# Altium PCB LimeSDR-Micro_1v0.PcbDoc (part 3 of 8) (continued)
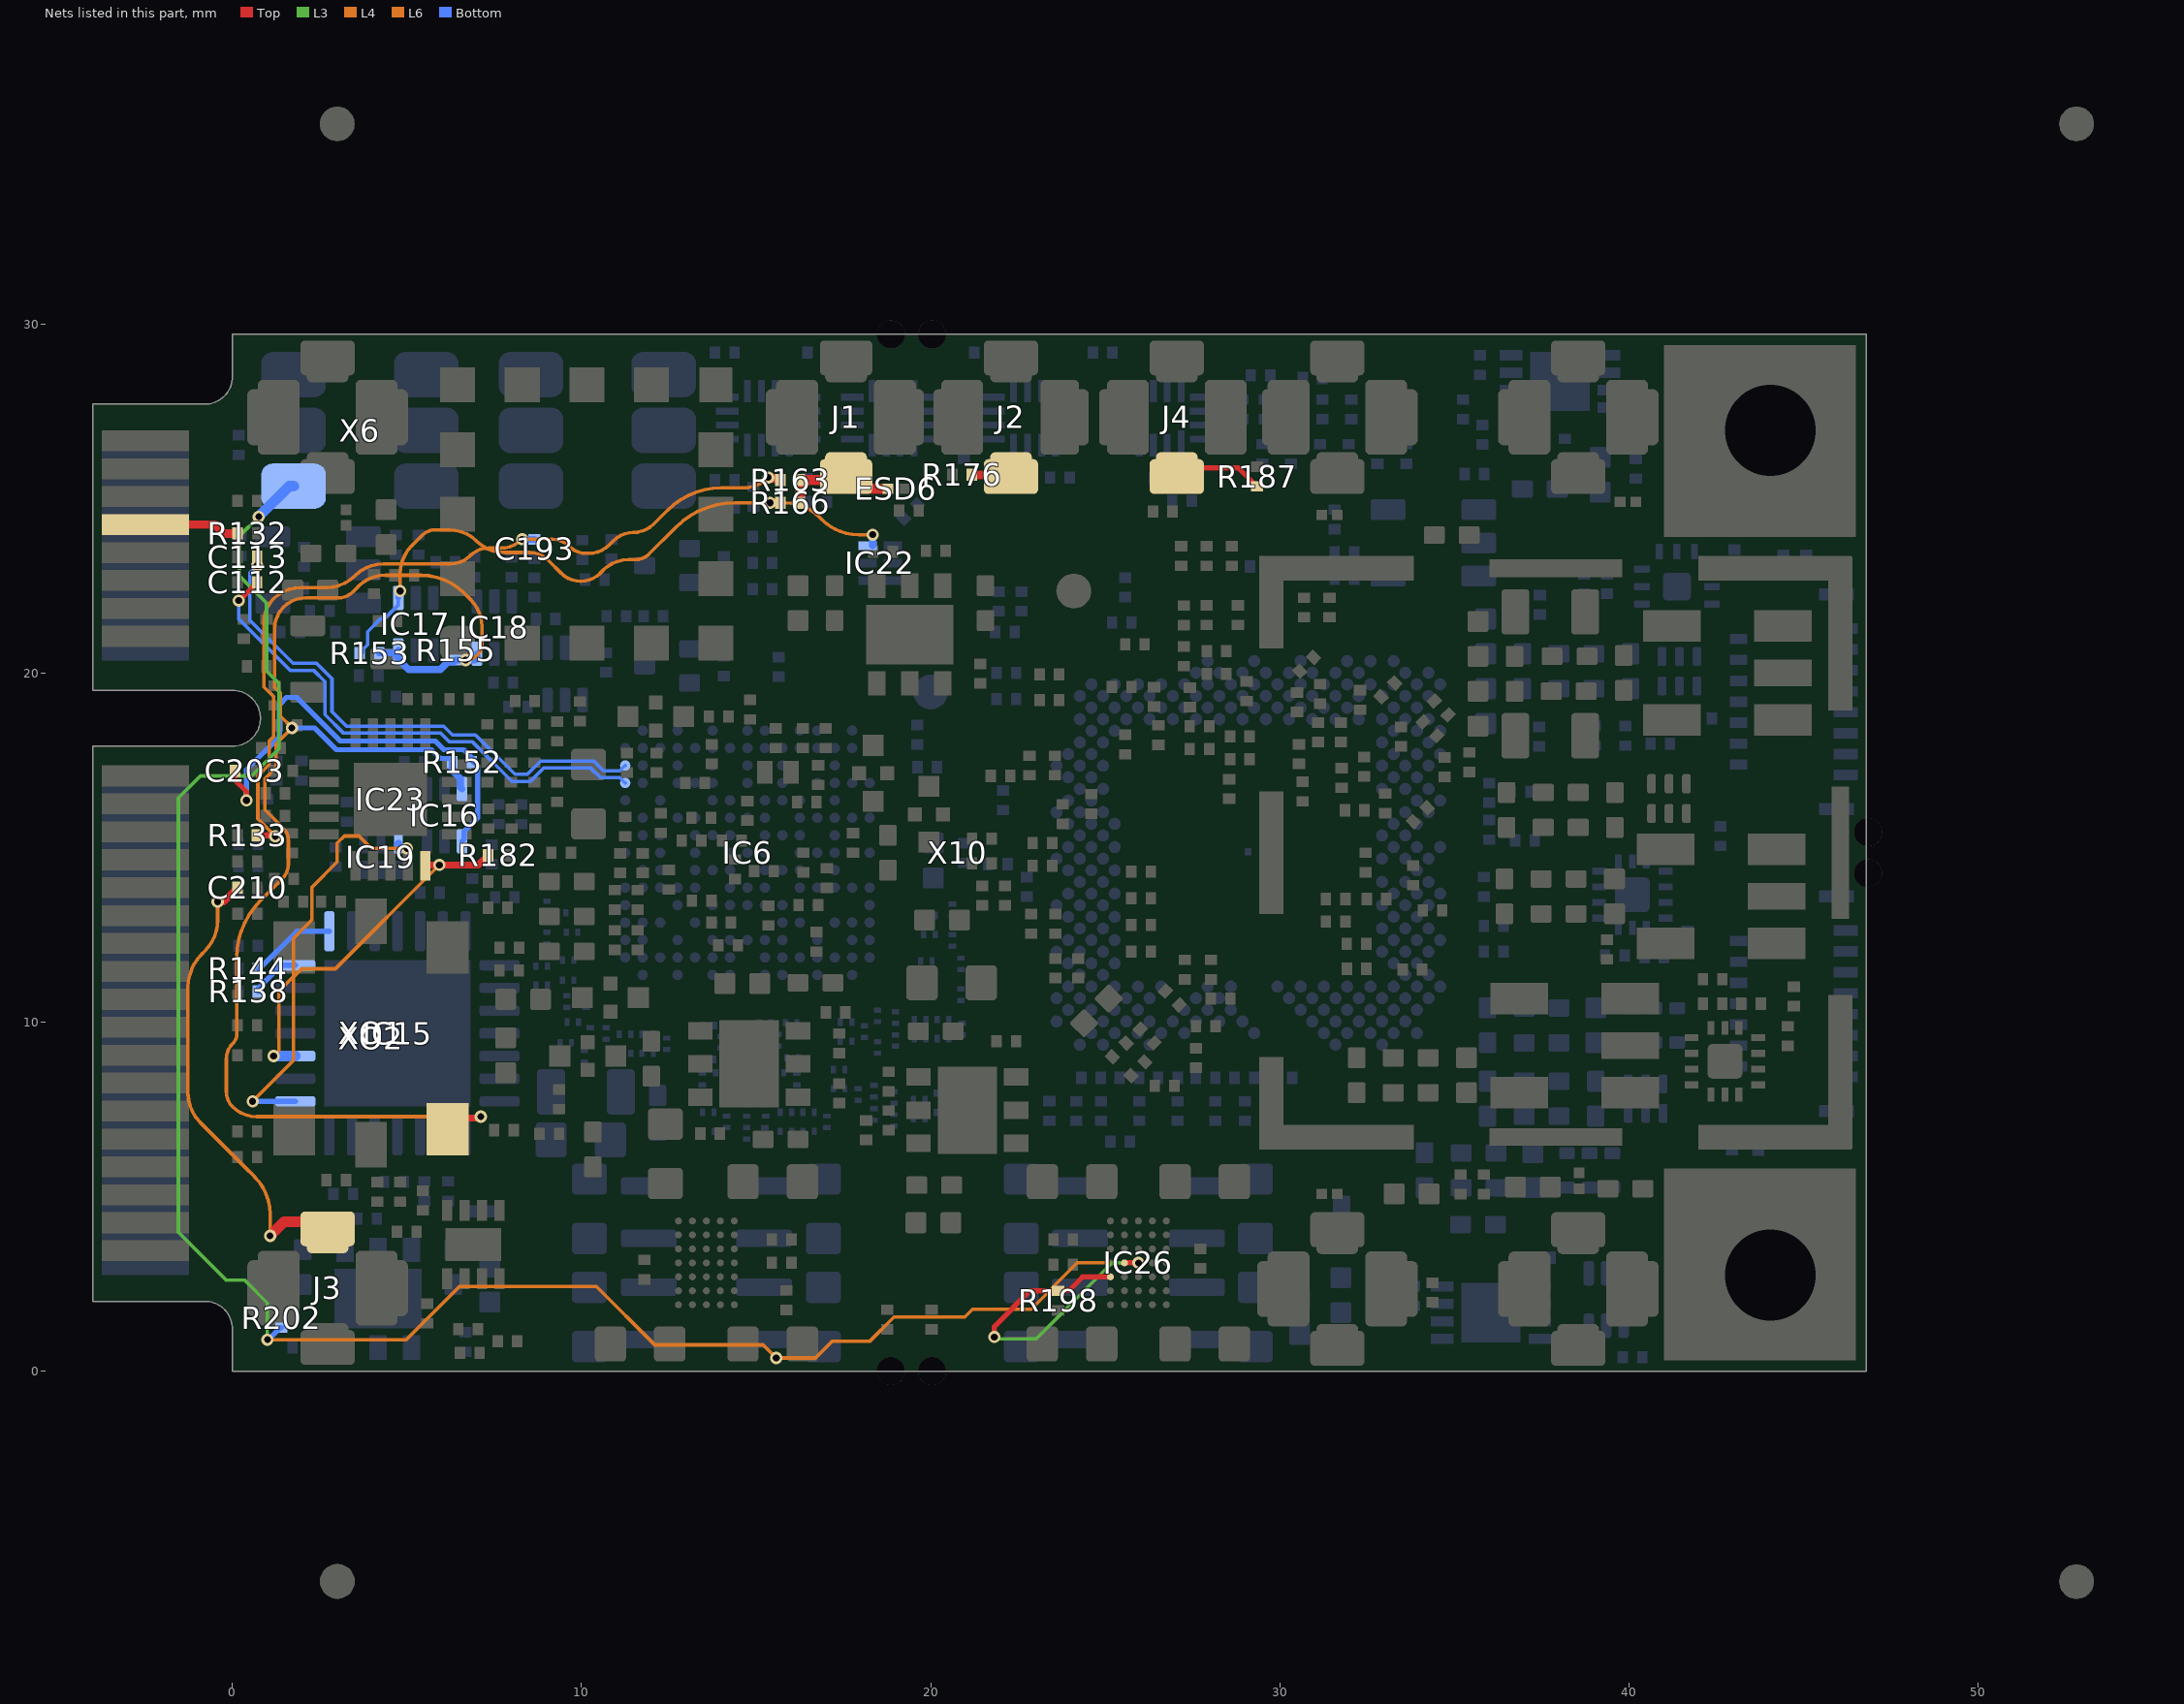
[diagram p9: the nets of this part, all layers, seen from the top]
## Part data (continued)
  R135 R157: Assembly Info=NF
R168 R201: library part Res_0402, Case/Package=0201, Case Code (Metric)=0603, Manufacturer=Yageo, Manufacturer Part Number 1=RC0201FR-0712K7L, Max Operating Temperature=125°C, Max Power Dissipation=50mW, Min Operating Temperature=-55°C, Package Quantity=1, Resistance=12.7kR, Resistor Type="Thick Film", Supplier Part Number 1=311-12.7KMCT-ND, Temperature Coefficient=200ppm/°C, Tolerance=1%, Case Code (Imperial)=0201, ComponentLink1Description=https://datasheet.ciiva.com/5924/1563626-5924912.pdf?src-supplier=Farnell, ComponentLink1URL=https://datasheet.ciiva.com/5924/1563626-5924912.pdf?src-supplier=Farnell, ComponentLink2Description=https://datasheet.ciiva.com/22661/1563626-22661319.pdf?src-supplier=Element14, ComponentLink2URL=https://datasheet.ciiva.com/22661/1563626-22661319.pdf?src-supplier=Element14, ComponentLink3Description=https://datasheet.ciiva.com/7660/1421516-7660807.pdf?src-supplier=Element14, ComponentLink3URL=https://datasheet.ciiva.com/7660/1421516-7660807.pdf?src-supplier=Element14, ComponentLink4Description=https://datasheet.ciiva.com/46391/1421516-46391339.pdf?src-supplier=Element14, ComponentLink4URL=https://datasheet.ciiva.com/46391/1421516-46391339.pdf?src-supplier=Element14, ComponentLink5Description=https://datasheet.ciiva.com/2467/pyu-r-int-thick-7-2467110.pdf?src-supplier=Digi-Key, ComponentLink5URL=https://datasheet.ciiva.com/2467/pyu-r-int-thick-7-2467110.pdf?src-supplier=Digi-Key, ComponentLink6Description=https://datasheet.ciiva.com/2467/pyu-r-int-thick-7-2467111.pdf?src-supplier=Digi-Key, ComponentLink6URL=https://datasheet.ciiva.com/2467/pyu-r-int-thick-7-2467111.pdf?src-supplier=Digi-Key, ComponentLink7Description=https://datasheet.ciiva.com/2467/pyu-r-int-thick-7-2467109.pdf?src-supplier=Digi-Key, ComponentLink7URL=https://datasheet.ciiva.com/2467/pyu-r-int-thick-7-2467109.pdf?src-supplier=Digi-Key, ComponentLink8Description=https://datasheet.ciiva.com/2493/pyu-r-int-thick-7-2493806.pdf?src-supplier=Digi-Key, ComponentLink8URL=https://datasheet.ciiva.com/2493/pyu-r-int-thick-7-2493806.pdf?src-supplier=Digi-Key, ComponentLink9Description=https://datasheet.ciiva.com/2493/pyu-r-int-thick-7-2493807.pdf?src-supplier=Digi-Key, ComponentLink9URL=https://datasheet.ciiva.com/2493/pyu-r-int-thick-7-2493807.pdf?src-supplier=Digi-Key, ComponentLink10Description=https://datasheet.ciiva.com/2493/pyu-r-int-thick-7-2493805.pdf?src-supplier=Digi-Key, ComponentLink10URL=https://datasheet.ciiva.com/2493/pyu-r-int-thick-7-2493805.pdf?src-supplier=Digi-Key, Features="Moisture Resistant", Height=0.01inch, Length=0.024inch, Number of Terminations=2, Packaging="Tape and Reel", Part Description="12.7 kOhms ±1% 0.05W, 1/20W Chip Resistor 0201 (0603 Metric) Moisture Resistant Thick Film", Pricing 1="1=0,10000, 10=0,03700, 100=0,01500, 1000=0,00672, 2500=0,00583, 5000=0,00482 (USD)", RoHS=Yes, RoHS Compliant=Yes, Series=RC, Stock 1=49027, Supplier 1=Digi-Key, Width=0.012inch
R178: library part Res_0402, Manufacturer=Yageo, Manufacturer Part Number 1=RC0201FR-07470RL, Supplier Part Number 1=YAG2689CT-ND, Voltage Rating (DC)=25V, ComponentLink1Description=https://datasheet.ciiva.com/8944/crcw0201e3-8944937.pdf?src-supplier=Avnet, ComponentLink1URL=https://datasheet.ciiva.com/8944/crcw0201e3-8944937.pdf?src-supplier=Avnet, ComponentLink2Description=https://datasheet.ciiva.com/2473/crcw0201e3-2473436.pdf?src-supplier=Digi-Key, ComponentLink2URL=https://datasheet.ciiva.com/2473/crcw0201e3-2473436.pdf?src-supplier=Digi-Key, ComponentLink3Description=https://datasheet.ciiva.com/2473/crcw0201e3-2473437.pdf?src-supplier=Digi-Key, ComponentLink3URL=https://datasheet.ciiva.com/2473/crcw0201e3-2473437.pdf?src-supplier=Digi-Key, ComponentLink4Description=https://datasheet.ciiva.com/2473/crcw0201e3-2473438.pdf?src-supplier=Digi-Key, ComponentLink4URL=https://datasheet.ciiva.com/2473/crcw0201e3-2473438.pdf?src-supplier=Digi-Key, ComponentLink5Description=https://datasheet.ciiva.com/16394/dcrcwe3-16394575.pdf?src-supplier=Future+Electronics, ComponentLink5URL=https://datasheet.ciiva.com/16394/dcrcwe3-16394575.pdf?src-supplier=Future+Electronics, ComponentLink6Description=https://datasheet.ciiva.com/7672/1563626-7672231.pdf?src-supplier=Element14, ComponentLink6URL=https://datasheet.ciiva.com/7672/1563626-7672231.pdf?src-supplier=Element14, ComponentLink7Description=https://datasheet.ciiva.com/22698/1563626-22698527.pdf?src-supplier=Element14, ComponentLink7URL=https://datasheet.ciiva.com/22698/1563626-22698527.pdf?src-supplier=Element14, Part Description="470 Ohms ±1% 0.05W, 1/20W Chip Resistor 0201 (0603 Metric) Moisture Resistant Thick Film", Pricing 1="1=0,1, 10=0,027, 50=0,0172, 100=0,0143, 500=0,00988, 1000=0,00854, 5000=0,00629 (USD)", RoHS=Yes, Stock 1=296760, Supplier 1=Digi-Key
R189: library part Res_0402, Case/Package=0201, Case Code (Metric)=0603, Manufacturer=Yageo, Manufacturer Part Number 1=RC0201FR-075K6L, Max Operating Temperature=125°C, Max Power Dissipation=50mW, Min Operating Temperature=-55°C, Package Quantity=10000, Resistance=5.6kR, Resistance Tolerance=1%, Resistor Type="Thick Film", Supplier Part Number 1=YAG2346CT-ND, Temperature Coefficient=200ppm/°C, Voltage Rating=25V, Case Code (Imperial)=0201, ComponentLink1Description=https://datasheet.ciiva.com/5924/1563626-5924912.pdf?src-supplier=Farnell, ComponentLink1URL=https://datasheet.ciiva.com/5924/1563626-5924912.pdf?src-supplier=Farnell, ComponentLink2Description=https://datasheet.ciiva.com/22661/1563626-22661319.pdf?src-supplier=Element14, ComponentLink2URL=https://datasheet.ciiva.com/22661/1563626-22661319.pdf?src-supplier=Element14, ComponentLink3Description=https://datasheet.ciiva.com/7660/1421516-7660807.pdf?src-supplier=Element14, ComponentLink3URL=https://datasheet.ciiva.com/7660/1421516-7660807.pdf?src-supplier=Element14, ComponentLink4Description=https://datasheet.ciiva.com/46391/1421516-46391339.pdf?src-supplier=Element14, ComponentLink4URL=https://datasheet.ciiva.com/46391/1421516-46391339.pdf?src-supplier=Element14, ComponentLink5Description=https://datasheet.ciiva.com/2467/pyu-r-int-thick-7-2467110.pdf?src-supplier=Digi-Key, ComponentLink5URL=https://datasheet.ciiva.com/2467/pyu-r-int-thick-7-2467110.pdf?src-supplier=Digi-Key, ComponentLink6Description=https://datasheet.ciiva.com/2467/pyu-r-int-thick-7-2467111.pdf?src-supplier=Digi-Key, ComponentLink6URL=https://datasheet.ciiva.com/2467/pyu-r-int-thick-7-2467111.pdf?src-supplier=Digi-Key, ComponentLink7Description=https://datasheet.ciiva.com/2467/pyu-r-int-thick-7-2467109.pdf?src-supplier=Digi-Key, ComponentLink7URL=https://datasheet.ciiva.com/2467/pyu-r-int-thick-7-2467109.pdf?src-supplier=Digi-Key, ComponentLink8Description=https://datasheet.ciiva.com/22661/1563626-22661325.pdf?src-supplier=Element14, ComponentLink8URL=https://datasheet.ciiva.com/22661/1563626-22661325.pdf?src-supplier=Element14, Features="Moisture Resistant", Height=0.01inch, Length=0.024inch, Number of Terminations=2, Packaging="Tape and Reel", Part Description="5.6 kOhms ±1% 0.05W, 1/20W Chip Resistor 0201 (0603 Metric) Moisture Resistant Thick Film", Power Rating=50mW, Pricing 1="1=0,10000, 10=0,03700, 100=0,01500, 1000=0,00672, 2500=0,00583, 5000=0,00482 (USD)", Reach SVHC Compliant=Yes, RoHS=Yes, RoHS Compliant=Yes, Series=RC, Stock 1=808399, Supplier 1=Digi-Key, Termination=SMD/SMT, Tolerance=1%, Width=0.3mm
R195: library part Res_0402, Case/Package=0201, Case Code (Metric)=0603, Manufacturer="Stackpole Electronics", Manufacturer Part Number 1=RMCF0201FT7K50, Max Operating Temperature=125°C, Max Power Dissipation=50mW, Min Operating Temperature=-55°C, Package Quantity=10000, Resistance=7.5kR, Resistor Type="Thick Film", Supplier Part Number 1=RMCF0201FT7K50CT-ND, Temperature Coefficient=200ppm/°C, Tolerance=1%, Case Code (Imperial)=0201, ComponentLink1Description=https://datasheet.ciiva.com/5924/1563626-5924912.pdf?src-supplier=Farnell, ComponentLink1URL=https://datasheet.ciiva.com/5924/1563626-5924912.pdf?src-supplier=Farnell, ComponentLink2Description=https://datasheet.ciiva.com/22661/1563626-22661319.pdf?src-supplier=Element14, ComponentLink2URL=https://datasheet.ciiva.com/22661/1563626-22661319.pdf?src-supplier=Element14, ComponentLink3Description=https://datasheet.ciiva.com/7660/1421516-7660807.pdf?src-supplier=Element14, ComponentLink3URL=https://datasheet.ciiva.com/7660/1421516-7660807.pdf?src-supplier=Element14, ComponentLink4Description=https://datasheet.ciiva.com/46391/1421516-46391339.pdf?src-supplier=Element14, ComponentLink4URL=https://datasheet.ciiva.com/46391/1421516-46391339.pdf?src-supplier=Element14, ComponentLink5Description=https://datasheet.ciiva.com/2467/pyu-r-int-thick-7-2467110.pdf?src-supplier=Digi-Key, ComponentLink5URL=https://datasheet.ciiva.com/2467/pyu-r-int-thick-7-2467110.pdf?src-supplier=Digi-Key, ComponentLink6Description=https://datasheet.ciiva.com/2467/pyu-r-int-thick-7-2467111.pdf?src-supplier=Digi-Key, ComponentLink6URL=https://datasheet.ciiva.com/2467/pyu-r-int-thick-7-2467111.pdf?src-supplier=Digi-Key, ComponentLink7Description=https://datasheet.ciiva.com/2467/pyu-r-int-thick-7-2467109.pdf?src-supplier=Digi-Key, ComponentLink7URL=https://datasheet.ciiva.com/2467/pyu-r-int-thick-7-2467109.pdf?src-supplier=Digi-Key, ComponentLink8Description=https://www.seielect.com/catalog/SEI-Packaging.pdf?src-supplier=Digi-Key, ComponentLink8URL=https://www.seielect.com/catalog/SEI-Packaging.pdf?src-supplier=Digi-Key, ComponentLink9Description=https://www.seielect.com/Catalog/SEI-RMCF_RMCP.pdf?src-supplier=Digi-Key, ComponentLink9URL=https://www.seielect.com/Catalog/SEI-RMCF_RMCP.pdf?src-supplier=Digi-Key, ComponentLink10Description=https://www.seielect.com/catalog/SEI-RMCF_RMCP.pdf?src-supplier=Avnet, ComponentLink10URL=https://www.seielect.com/catalog/SEI-RMCF_RMCP.pdf?src-supplier=Avnet, ComponentLink11Description=http://www.seielect.com/Catalog/SEI-RMCF_RMCP.pdf?src-supplier=Digi-Key, ComponentLink11URL=http://www.seielect.com/Catalog/SEI-RMCF_RMCP.pdf?src-supplier=Digi-Key, Contact Plating=Tin,Matte, Height=0.009inch, Length=0.024inch, Mount="Surface Mount", Number of Terminations=2, Packaging="Tape and Reel", Part Description="7.5 kOhms ±1% 0.05W, 1/20W Chip Resistor 0201 (0603 Metric) Thick Film", Pricing 1="1=0,10000, 10=0,02400, 100=0,00970, 1000=0,00437, 2500=0,00379, 5000=0,00313 (USD)", Radiation Hardening=No, RoHS=Yes, RoHS Compliant=Yes, Series=RMCF, Stock 1=145930, Supplier 1=Digi-Key, Width=0.012inch
R206: library part Res_0402, Case/Package=0201, Case Code (Metric)=0603, Manufacturer=Yageo, Manufacturer Part Number 1=RC0201FR-0731K6L, Max Operating Temperature=125°C, Max Power Dissipation=50mW, Min Operating Temperature=-55°C, Resistance=31.6kR, Resistor Type="Thick Film", Supplier Part Number 1=YAG2597CT-ND, Temperature Coefficient=200ppm/°C, Tolerance=1%, Assembly Info=NF, Case Code (Imperial)=0201, ComponentLink1Description=https://datasheet.ciiva.com/5924/1563626-5924912.pdf?src-supplier=Farnell, ComponentLink1URL=https://datasheet.ciiva.com/5924/1563626-5924912.pdf?src-supplier=Farnell, ComponentLink2Description=https://datasheet.ciiva.com/22661/1563626-22661319.pdf?src-supplier=Element14, ComponentLink2URL=https://datasheet.ciiva.com/22661/1563626-22661319.pdf?src-supplier=Element14, ComponentLink3Description=https://datasheet.ciiva.com/7660/1421516-7660807.pdf?src-supplier=Element14, ComponentLink3URL=https://datasheet.ciiva.com/7660/1421516-7660807.pdf?src-supplier=Element14, ComponentLink4Description=https://datasheet.ciiva.com/46391/1421516-46391339.pdf?src-supplier=Element14, ComponentLink4URL=https://datasheet.ciiva.com/46391/1421516-46391339.pdf?src-supplier=Element14, ComponentLink5Description=https://datasheet.ciiva.com/2467/pyu-r-int-thick-7-2467110.pdf?src-supplier=Digi-Key, ComponentLink5URL=https://datasheet.ciiva.com/2467/pyu-r-int-thick-7-2467110.pdf?src-supplier=Digi-Key, ComponentLink6Description=https://datasheet.ciiva.com/2467/pyu-r-int-thick-7-2467111.pdf?src-supplier=Digi-Key, ComponentLink6URL=https://datasheet.ciiva.com/2467/pyu-r-int-thick-7-2467111.pdf?src-supplier=Digi-Key, ComponentLink7Description=https://datasheet.ciiva.com/2467/pyu-r-int-thick-7-2467109.pdf?src-supplier=Digi-Key, ComponentLink7URL=https://datasheet.ciiva.com/2467/pyu-r-int-thick-7-2467109.pdf?src-supplier=Digi-Key, ComponentLink8Description=http://www.yageo.com/documents/recent/PYu-RC_Group_51_RoHS_L_10.pdf?src-supplier=Digi-Key, ComponentLink8URL=http://www.yageo.com/documents/recent/PYu-RC_Group_51_RoHS_L_10.pdf?src-supplier=Digi-Key, ComponentLink9Description=https://www.yageo.com/upload/media/product/productsearch/datasheet/rchip/PYu-RC_Group_51_RoHS_L_11.pdf?src-supplier=Digi-Key, ComponentLink9URL=https://www.yageo.com/upload/media/product/productsearch/datasheet/rchip/PYu-RC_Group_51_RoHS_L_11.pdf?src-supplier=Digi-Key, ComponentLink10Description=http://www.yageo.com/documents/recent/PYu-RC_Group_51_RoHS_L_9.pdf?src-supplier=Digi-Key, ComponentLink10URL=http://www.yageo.com/documents/recent/PYu-RC_Group_51_RoHS_L_9.pdf?src-supplier=Digi-Key, Features="Moisture Resistant", Height=0.01inch, Length=0.024inch, Number of Terminations=2, Packaging="Tape and Reel", Part Description="31.6 kOhms ±1% 0.05W, 1/20W Chip Resistor 0201 (0603 Metric) Moisture Resistant Thick Film", Pricing 1="1=0,10000, 10=0,03700, 100=0,01500, 1000=0,00672, 2500=0,00583, 5000=0,00482 (USD)", RoHS=Yes, RoHS Compliant=Yes, Stock 1=255391, Supplier 1=Digi-Key, Width=0.012inch
T1 T5 T6: library part 3600BL14M050_balun, Case/Package=0603, Case Code (Metric)=1608, Frequency=3.6GHz, Manufacturer=Johanson, Manufacturer Part Number 1=3600BL14M050T, Max Frequency=3.9GHz, Max Operating Temperature=85°C, Min Frequency=3.3GHz, Min Operating Temperature=-40°C, Package Quantity=1, Resistor Type=Ceramic, Supplier Part Number 1=712-1048-1-ND, Case Code (Imperial)=0603, ComponentLink1Description=https://datasheet.ciiva.com/2788/3600bl14m050-2788852.pdf?src-supplier=Digi-Key, ComponentLink1URL=https://datasheet.ciiva.com/2788/3600bl14m050-2788852.pdf?src-supplier=Digi-Key, ComponentLink2Description=https://datasheet.ciiva.com/22694/1318325-22694755.pdf?src-supplier=Element14, ComponentLink2URL=https://datasheet.ciiva.com/22694/1318325-22694755.pdf?src-supplier=Element14, ComponentLink3Description=https://datasheet.ciiva.com/24072/balun-3600bl14m050-242434-24072532.pdf?src-supplier=Mouser, ComponentLink3URL=https://datasheet.ciiva.com/24072/balun-3600bl14m050-242434-24072532.pdf?src-supplier=Mouser, Depth=0.8mm, Impedance=50R, Insertion Loss=1.2dB, Length=1.6mm, Mount="Surface Mount", Number of Pins=6, Packaging="Tape and Reel", Part Description="Signal Conditioning 3.6GHz 1:1 BALUN", Pricing 1="1=1,19000, 10=1,16900, 25=0,78280, 50=0,69680, 100=0,63840, 250=0,57280, 500=0,56086, 1000=0,40573 (USD)", Radiation Hardening=No, Return Loss=9.5dB, RoHS=Yes, Series=3600, Stock 1=41138, Supplier 1=Digi-Key, Termination=SMD/SMT, Turns Ratio=1:1
T2 T7 T8: library part TC1-1-13M+, Manufacturer=Minicircuits, Manufacturer Part Number 1=TC1-1-13M-45+, Part Description="RF balun; 1:1 ratio; 3 dB bandwidth: 0.3 MHz to 3.5 GHz; 3.8mm x 3.8mm", Supplier 1=Minicircuits, Supplier Part Number 1=TC1-1-13M-45+
T3 T4: library part B0322J5050AHF_balun, Case/Package=0805, Case Code (Metric)=2012, Manufacturer=Anaren, Max Operating Temperature=85°C, Min Operating Temperature=-55°C, Package Quantity=1, Supplier Part Number 1=620-B0322J5050AHF, Case Code (Imperial)=0805, ComponentLink1Description=https://datasheet.ciiva.com/2788/b0322j5050ahf-datasheet-reva-2788996.pdf?src-supplier=Digi-Key, ComponentLink1URL=https://datasheet.ciiva.com/2788/b0322j5050ahf-datasheet-reva-2788996.pdf?src-supplier=Digi-Key, ComponentLink2Description=https://datasheet.ciiva.com/4548/b0322j5050ahf-datasheet-reva-18090-4548378.pdf?src-supplier=Mouser, ComponentLink2URL=https://datasheet.ciiva.com/4548/b0322j5050ahf-datasheet-reva-18090-4548378.pdf?src-supplier=Mouser, ComponentLink3Description=https://datasheet.ciiva.com/2788/b0322j5050ahf-2788997.pdf?src-supplier=Digi-Key, ComponentLink3URL=https://datasheet.ciiva.com/2788/b0322j5050ahf-2788997.pdf?src-supplier=Digi-Key, ComponentLink4Description=https://datasheet.ciiva.com/2788/b0322j5050ahf-2788998.pdf?src-supplier=Digi-Key, ComponentLink4URL=https://datasheet.ciiva.com/2788/b0322j5050ahf-2788998.pdf?src-supplier=Digi-Key, ComponentLink5Description=https://datasheet.ciiva.com/26819/getdatasheetpartid-573228-26819653.pdf?src-supplier=Verical, ComponentLink5URL=https://datasheet.ciiva.com/26819/getdatasheetpartid-573228-26819653.pdf?src-supplier=Verical, Depth=1.29mm, Impedance=50R, Insertion Loss=1.6dB, Length=2.04mm, Manufacturer Part Number 1=B0322J5050AHF, Mount="Surface Mount", Number of Pins=6, Packaging="Tape and Reel", Part Description="Signal Conditioning 300-2200MHz 50 Ohm IL=1.6dB", Pricing 1="1=1,65000, 10=1,02000, 50=1,02000, 100=0,88300, 1000=0,56100, 10000=0,52800 (USD)", RoHS=Yes, RoHS Compliant=Yes, Series=Xinger®, Stock 1=19367, Supplier 1=Mouser, Termination=SMD/SMT, Turns Ratio=1:1
TP1: "Test Point PCB mount Miniature White"
VT1 VT2: Current - Continuous Drain (Id) @ 25°C="630mA (Ta)", Drive Voltage (Max Rds On,  Min Rds On)="1.8V, 4.5V", Manufacturer="Diodes Incorporated", Manufacturer Part Number 1=DMG1012TQ-7, Operating Temperature="-55°C ~ 150°C (TJ)", Package / Case=SOT-523, Power Dissipation (Max)="280mW (Ta)", Supplier Part Number 1=DMG1012TQ-7DICT-ND, Category="Discrete Semiconductor Products", ComponentLink1Description=https://www.diodes.com/assets/Datasheets/ds31783.pdf, ComponentLink1URL=https://www.diodes.com/assets/Datasheets/ds31783.pdf, FET Feature=-, FET Type=N-Channel, Mounting Type="Surface Mount", Packaging="Cut Tape (CT)", Part Description="N-Channel 20V 630mA (Ta) 280mW (Ta) Surface Mount SOT-523", Part Status=Active, Pricing 1="1=0.47, 10=0.424, 100=0.2375, 500=0.12722, 1000=0.08651 (USD)", Rds On (Max) @ Id, Vgs="400 mOhm @ 600mA, 4.5V", RoHS="RoHS Compliant", Stock 1=3569, Supplier 1=Digi-Key, Supplier Device Package=SOT-523, Technology="MOSFET (Metal Oxide)", Vgs (Max)=±6V, Vgs(th) (Max) @ Id="1V @ 250µA"
X6 X9: library part Molex_0788641001_spring_contacts, "Header, 6-pin", Manufacturer=Molex, Manufacturer Part Number 1=78864-1001, Supplier Part Number 1=WM11204CT-ND, Voltage Rating=10V, Assembly Info=NF, ComponentLink1Description=http://www.farnell.com/datasheets/2216617.pdf?src-supplier=Farnell, ComponentLink1URL=http://www.farnell.com/datasheets/2216617.pdf?src-supplier=Farnell, ComponentLink2Description=http://www.farnell.com/datasheets/2216617.pdf?src-supplier=Newark, ComponentLink2URL=http://www.farnell.com/datasheets/2216617.pdf?src-supplier=Newark, ComponentLink3Description=http://www.farnell.com/datasheets/1862322.pdf?src-supplier=Element14, ComponentLink3URL=http://www.farnell.com/datasheets/1862322.pdf?src-supplier=Element14, Contact Material="Copper Alloy", Glow Wire Compliant=Non-compliant, Halogen Free="Low Halogen", Number of Circuits=6, Number of Contacts=6, Orientation=Vertical, Part Description="6 Position Spring Battery Contact Connector Surface Mount", Pricing 1="1=0,45000, 10=0,36500, 100=0,26730, 1000=0,21263 (USD)", RoHS=Yes, Stock 1=133097, Supplier 1=Digi-Key, Voltage Rating (DC)=10V
X8 X13: library part 5025981593_FPC_connector, Manufacturer=Molex, Supplier Part Number 1=900-5025981593CT-ND, Manufacturer Part Number 1=5025981593, Part Description="15 Position FPC Connector Contacts, Top and Bottom 0.012\" (0.30mm) Surface Mount, Right Angle", Pricing 1="1=1,40000, 10=1,15900, 100=0,96600, 1000=0,77280 (USD)", RoHS=Yes, Stock 1=19758, Supplier 1=Digi-Key
X10: library part PCIe_MiniCard_fingers, "PCIe MiniCard full or half size"
XO1: library part RPT7050A, Manufacturer=Rakon, Manufacturer Part Number 1=E6245LF, Part Description="TCXO 30.72MHz, E6245LF", Supplier 1=Rakon, Supplier Part Number 1=E6245LF
XO2: library part TXCO, Manufacturer=Rakon, Manufacturer Part Number 1=E5280LF, Assembly Info=NF, Part Description="TCXO 30.72MHz, E5280LF", Supplier 1=Rakon, Supplier Part Number 1=E5280LF

## Free pads (board coordinates)
  round 0.8 hole 0.8 unplated: 0(18.863,0) 0(18.863,29.7) 0(20.038,0) 0(20.038,29.7) 0(46.85,14.262) 0(46.85,15.438)

## Via types
v1: diameter 0.35, hole 0.2, Top to Bottom, tented both sides, 670 vias
v2: diameter 0.35, hole 0.2, L5 to Bottom, tented both sides, 104 vias
v3: diameter 0.4, hole 0.2, Top to Bottom, tented both sides, 30 vias
v4: diameter 0.5, hole 0.2, Top to Bottom, tented both sides, 8 vias

## Nets (pads, with @x,y where several pads share a name; then routed paths per layer and width w, separated by ;. In a path a pad name is that pad's centre, name@x,y a point inside that pad or via, vN(x,y) a via of type N, cw(c..) or ccw(c..) an arc to the next point about the centre after c; other vN are vias at no path point)
ADF_MUXOUT: IC15.24 IC23.15 R182.1 | length 10.9
  Top w0.2: IC23.15@5.525,14.475 IC23.15@5.525,14.5 ; IC23.15@5.575,14.775 5.525,14.725 IC23.15@5.525,14.5 ; R182.1@7.32,14.775 7.045,14.5 v1(5.925,14.5) IC23.15@5.525,14.5
  L4 w0.1: v1(1.175,9.025) 1.325,9.175 1.325,10.875 1.975,11.525 2.95,11.525 v1(5.925,14.5)
  Bottom w0.3: v1(1.175,9.025) IC15.24@1.8,9.025
ADF_REF_IN: C210.2 J3.1 | length 13.3
  Top w0.2: v1(-0.425,13.45) -0.255,13.45 0.07,13.775 0.095,13.775 0.145,13.825 C210.2@0.145,13.85
  Top w0.3: v1(1.075,3.875) 1.475,4.275 2.525,4.275 J3.1@2.725,4.075
  L6 w0.1: -0.887,11.938 ccw(c0.053,11) -1.275,11 -1.275,7.97 ccw(c-0.08,7.97) -0.925,7.125 0.337,5.863 0.633,5.567 cw(c-0.434,4.5) 1.075,4.5 v1(1.075,3.875) ; -0.886,11.939 -0.796,12.029 ccw(c-1.692,12.925) -0.425,12.925 v1(-0.425,13.45)
ADF_RF_IN: C203.1 IC16.4 R152.2 | length 13.2
  Top w0.15: C203.1@0.07,17.2 0.07,16.93 0.4,16.6 v1(0.4,16.35)
  Bottom w0.15: v1(0.4,16.35) 0.4,17.229 1.345,18.174 1.345,19.095 1.55,19.3 1.839,19.3 3.089,18.05 5.806,18.05 6.056,17.8 6.625,17.8 6.94,17.485 R152.2@6.94,17.415 ; IC16.4@6.575,15.175 6.632,15.232 6.632,15.457 7.025,15.85 7.025,17.33 R152.2@6.855,17.5
BOM_VER0: IC15.28 R138.1 | length 1.4
  Bottom w0.15: R138.1@0.73,10.881 0.73,10.958 1.3,11.528 1.3,11.55 1.375,11.625 IC15.28@1.8,11.625
BOM_VER1: IC15.1 R144.1 | length 2.5
  Bottom w0.15: R144.1@0.752,11.508 1.844,12.6 IC15.1@2.775,12.6
C1_N: C113.2 IC6.N1 | length 15.4
  Top w0.3: v1(0.705,23.075) C113.2@0.705,23.325
  Bottom w0.1: v1(0.705,23.075) 0.5,22.87 0.5,21.508 1.733,20.275 2.408,20.275 2.85,19.833 2.85,18.89 3.265,18.475 6.05,18.475 6.3,18.225 6.958,18.225 8.088,17.095 8.445,17.095 8.825,17.475 10.35,17.475 10.625,17.2 11.092,17.2 11.242,17.35 IC6.N1@11.251,17.35
C1_P: C112.2 IC6.M1 | length 15.2
  Top w0.15: v1(0.175,22.075) 0.192,22.075 0.617,22.5 0.63,22.5 0.705,22.575 C112.2@0.705,22.6
  Bottom w0.1: v1(0.175,22.075) 0.175,21.55 1.65,20.075 2.325,20.075 2.65,19.75 2.65,18.808 3.183,18.275 5.967,18.275 6.217,18.025 6.875,18.025 8.005,16.895 8.527,16.895 8.907,17.275 10.267,17.275 10.542,17 11.092,17 11.242,16.85 IC6.M1@11.251,16.85
CLK: ESD6.1 J1.1 R163.1 R166.1 | length 3.4
  Top w0.3: R166.1@16.255,24.875 16.255,25.5 R163.1@16.255,25.525 17.375,25.525 J1.1@17.575,25.725 ; J1.1@17.575,25.625 J1.1@17.9,25.3 ; J1.1@17.9,25.275 ESD6.1@18.775,25.275
CLK_IN: C193.1 R133.1 R163.2 | length 24
  Top w0.18: R133.1@0.702,15.347 v1@1.226,15.347
  Top w0.25: v1@15.35,25.575 R163.2@15.695,25.575
  L4 w0.1: v1(8.295,23.83) 9.159,23.83 cw(c9.159,23.139) 9.647,23.628 ccw(c10.136,24.116) 10.136,23.425 10.2,23.425 ccw(c10.2,24.27) 10.797,23.672 10.911,23.786 cw(c11.488,23.21) 11.488,24.025 ccw(c11.488,24.84) 12.064,24.264 12.463,24.663 cw(c14.002,23.123) 14.002,25.3 14.626,25.3 ccw(c14.626,26.324) v1(15.35,25.6)
  L6 w0.1: v1(1.226,15.322) 0.725,15.822 0.725,17.05 1.05,17.375 1.05,18.05 1.175,18.175 1.175,19.325 0.9,19.6 0.9,21.461 cw(c1.839,21.461) 1.175,22.125 cw(c1.96,21.34) 1.96,22.45 2.698,22.45 ccw(c2.698,23.602) 3.512,22.787 cw(c4.327,21.973) 4.327,23.125 6.252,23.125 ccw(c6.252,23.893) 6.795,23.35 ; 6.795,23.35 cw(c7.339,22.807) 7.339,23.575 7.679,23.575 ccw(c7.679,24.446) v1(8.295,23.83)
  Bottom w0.2: v1(8.295,23.83) C193.1@8.65,23.83
CLK_OUT: IC17.4 IC22.3 R153.2 R166.2 | length 19.3
  Top w0.25: v1(15.4,24.875) R166.2@15.695,24.875
  L4 w0.1: v1(4.8,22.35) 4.8,22.83 cw(c5.958,22.83) 5.139,23.648 ; 5.139,23.648 5.443,23.952 cw(c5.8,23.595) 5.8,24.1 6.215,24.1 cw(c6.215,22.99) 7,23.775 ccw(c7.785,24.56) 7.785,23.45 8.507,23.45 cw(c8.507,22.682) 9.05,23.225 9.42,22.855 ccw(c9.975,23.41) 9.975,22.625 ccw(c9.975,23.41) 10.53,22.855 10.624,22.949 cw(c11.35,22.224) 11.35,23.25 11.563,23.25 ccw(c11.563,23.762) 11.925,23.4 12.693,24.168 cw(c14.4,22.461) 12.694,24.169 cw(c14.4,22.461) 14.4,24.875 v1(15.4,24.875)
  L6 w0.1: v1(15.4,24.875) 15.826,24.875 cw(c15.826,23.489) 16.806,24.469 16.875,24.4 ccw(c17.931,25.456) 17.414,24.055 ccw(c17.931,25.456) 17.931,23.962 v2(18.338,23.962)
  Bottom w0.1: R153.2@3.645,20.475 3.645,20.5 3.745,20.6 R153.2@3.746,20.6 ; R153.2@3.645,20.575 3.875,20.805 3.875,21.185 4.24,21.55 4.35,21.55 4.75,21.95 IC17.4@4.75,22.15
  Bottom w0.15: IC17.4@4.75,22.15 IC17.4@4.75,22.35
  Bottom w0.2: IC22.3@18.338,23.65 v2(18.338,23.962)
CLK_REQUEST#: R132.1 X10.7 | length 2.7
  Top w0.25: X10.7@-2.5,24.25 -0.505,24.249 -0.255,23.999 R132.1@0.145,23.999
CLK_XO: IC16.3 IC17.3 IC18.3 R152.1 R153.1 R155.1 XO1.4 XO2.3 | length 41.3
  Top w0.2: XO1.4@6.164,6.935 6.479,7.25 v1@7.025,7.25
  L6 w0.1: -0.001,7.576 cw(c0.422,7.997) -0.175,7.997 -0.175,8.953 cw(c0.422,8.953) -0.001,9.374 ccw(c-0.302,9.677) 0.125,9.677 0.125,11.85 cw(c2.419,11.85) 0.796,13.471 ; 0.001,7.574 ccw(c0.691,8.266) 0.691,7.289 v1(7.114,7.289) ; 0.797,13.472 1.423,14.098 ccw(c0.996,14.525) 1.6,14.525 1.6,15.2 ccw(c1.1,15.2) 1.454,15.554 0.925,16.082 0.925,16.967 1.25,17.292 1.25,17.967 1.667,18.385 1.7,18.385 v2(1.7,18.425) 1.7,18.44 1.375,18.765 1.375,19.425 1.2,19.6 1.2,21.254 cw(c2.096,21.254) 1.462,21.887 ; 1.463,21.888 cw(c2.096,21.254) 2.096,22.15 3.025,22.15 ccw(c3.025,22.754) 3.451,22.326 3.6,22.475 cw(c4.385,21.69) 4.385,22.8 5.4,22.8 cw(c5.4,21.05) 6.637,22.287 6.821,22.104 cw(c6.027,21.31) 7.15,21.31 7.15,20.845 cw(c6.675,20.845) v2(6.675,20.37)
  Bottom w0.15: v2(1.7,18.425) 2.35,18.425 2.975,17.8 5.702,17.8 5.952,17.55 6.195,17.55 6.22,17.55 6.295,17.475 R152.1@6.295,17.45
  Bottom w0.2: R153.1@4.205,20.575 IC17.3@4.7,20.575 ; IC17.3@4.7,20.475 IC17.3@4.75,20.525 ; IC17.3@4.75,20.65 IC17.3@4.75,20.525 ; R152.1@6.295,17.45 6.295,17.209 6.525,16.979 6.525,16.725 IC16.3@6.575,16.675 ; IC18.3@7,20.55 7,20.42 6.95,20.37 v2(6.675,20.37) R155.1@6.4,20.37 6.35,20.32 6.174,20.32 5.954,20.1 5.046,20.1 4.75,20.396 IC17.3@4.75,20.525
EN_REG: IC26.C5 IC26.D3 IC26.D4 R198.2 R202.2 X6.3 | length 66.8
  Top w0.1: IC26.D4@25.515,3.1 IC26.D4@25.55,3.1
  Top w0.15: v1(21.825,0.975) 21.825,1.275 22.85,2.3 R198.2@23.65,2.3 23.662,2.312 23.962,2.312 24.35,2.7 IC26.C5@25.15,2.7 ; IC26.D4@25.55,3.1 v1(25.95,3.1)
  L3 w0.1: v1(0.75,24.475) 0.2,23.925 0.2,22.775 0.975,22 0.975,20.059 1.325,19.709 1.325,17.825 0.55,17.05 -0.92,17.05 -1.55,16.42 -1.55,3.975 -0.175,2.6 0.35,2.6 1,1.95 v1(1,0.9) ; v1(21.825,0.975) 21.873,0.927 22.006,0.927 22.009,0.925 23.025,0.925 25.2,3.1 v1(25.95,3.1)
  L6 w0.1: v1(1,0.9) 4.975,0.9 6.5,2.425 10.425,2.425 12.1,0.75 15.2,0.75 v1(15.575,0.375) 16.7,0.375 17.175,0.85 18.25,0.85 18.95,1.55 20.975,1.55 21.2,1.775 22.875,1.775 24.2,3.1 v1(25.95,3.1)
  Bottom w0.15: v1(1,0.9) 1.03,0.9 1.375,1.245 R202.2@1.4,1.245
  Bottom w0.3: v1(0.75,24.475) 1.625,25.35 X6.3@1.75,25.35
EXT_CLK_CTRL: IC15.22 IC19.6 | length 12.2
  L6 w0.1: v1(0.575,7.725) 1.75,8.9 1.75,12.4 2.275,12.925 2.275,13.86 3,14.585 3,15.127 3.203,15.33 3.621,15.33 3.976,14.975 v2(5,14.975)
  Bottom w0.15: v1(0.575,7.725) IC15.22@1.8,7.725
  Bottom w0.25: IC19.6@4.75,15.087 4.75,14.994 4.981,14.994 v2(5,14.975)
EXT_PPS_IN: J2.1 R176.2 | length 1.3
  Top w0.25: R176.2@21.18,25.675 22.31,25.675 J2.1@22.355,25.72
  Top w0.3: J2.1@22.355,25.72 J2.1@22.45,25.625
EXT_PPS_OUT: J4.1 R187.1 | length 2.6
  Top w0.15: J4.1@27.05,25.725 27.2,25.875 28.808,25.875 R187.1@29.344,25.339